# Allegro board 8880F5-0823_9.brd (continued)
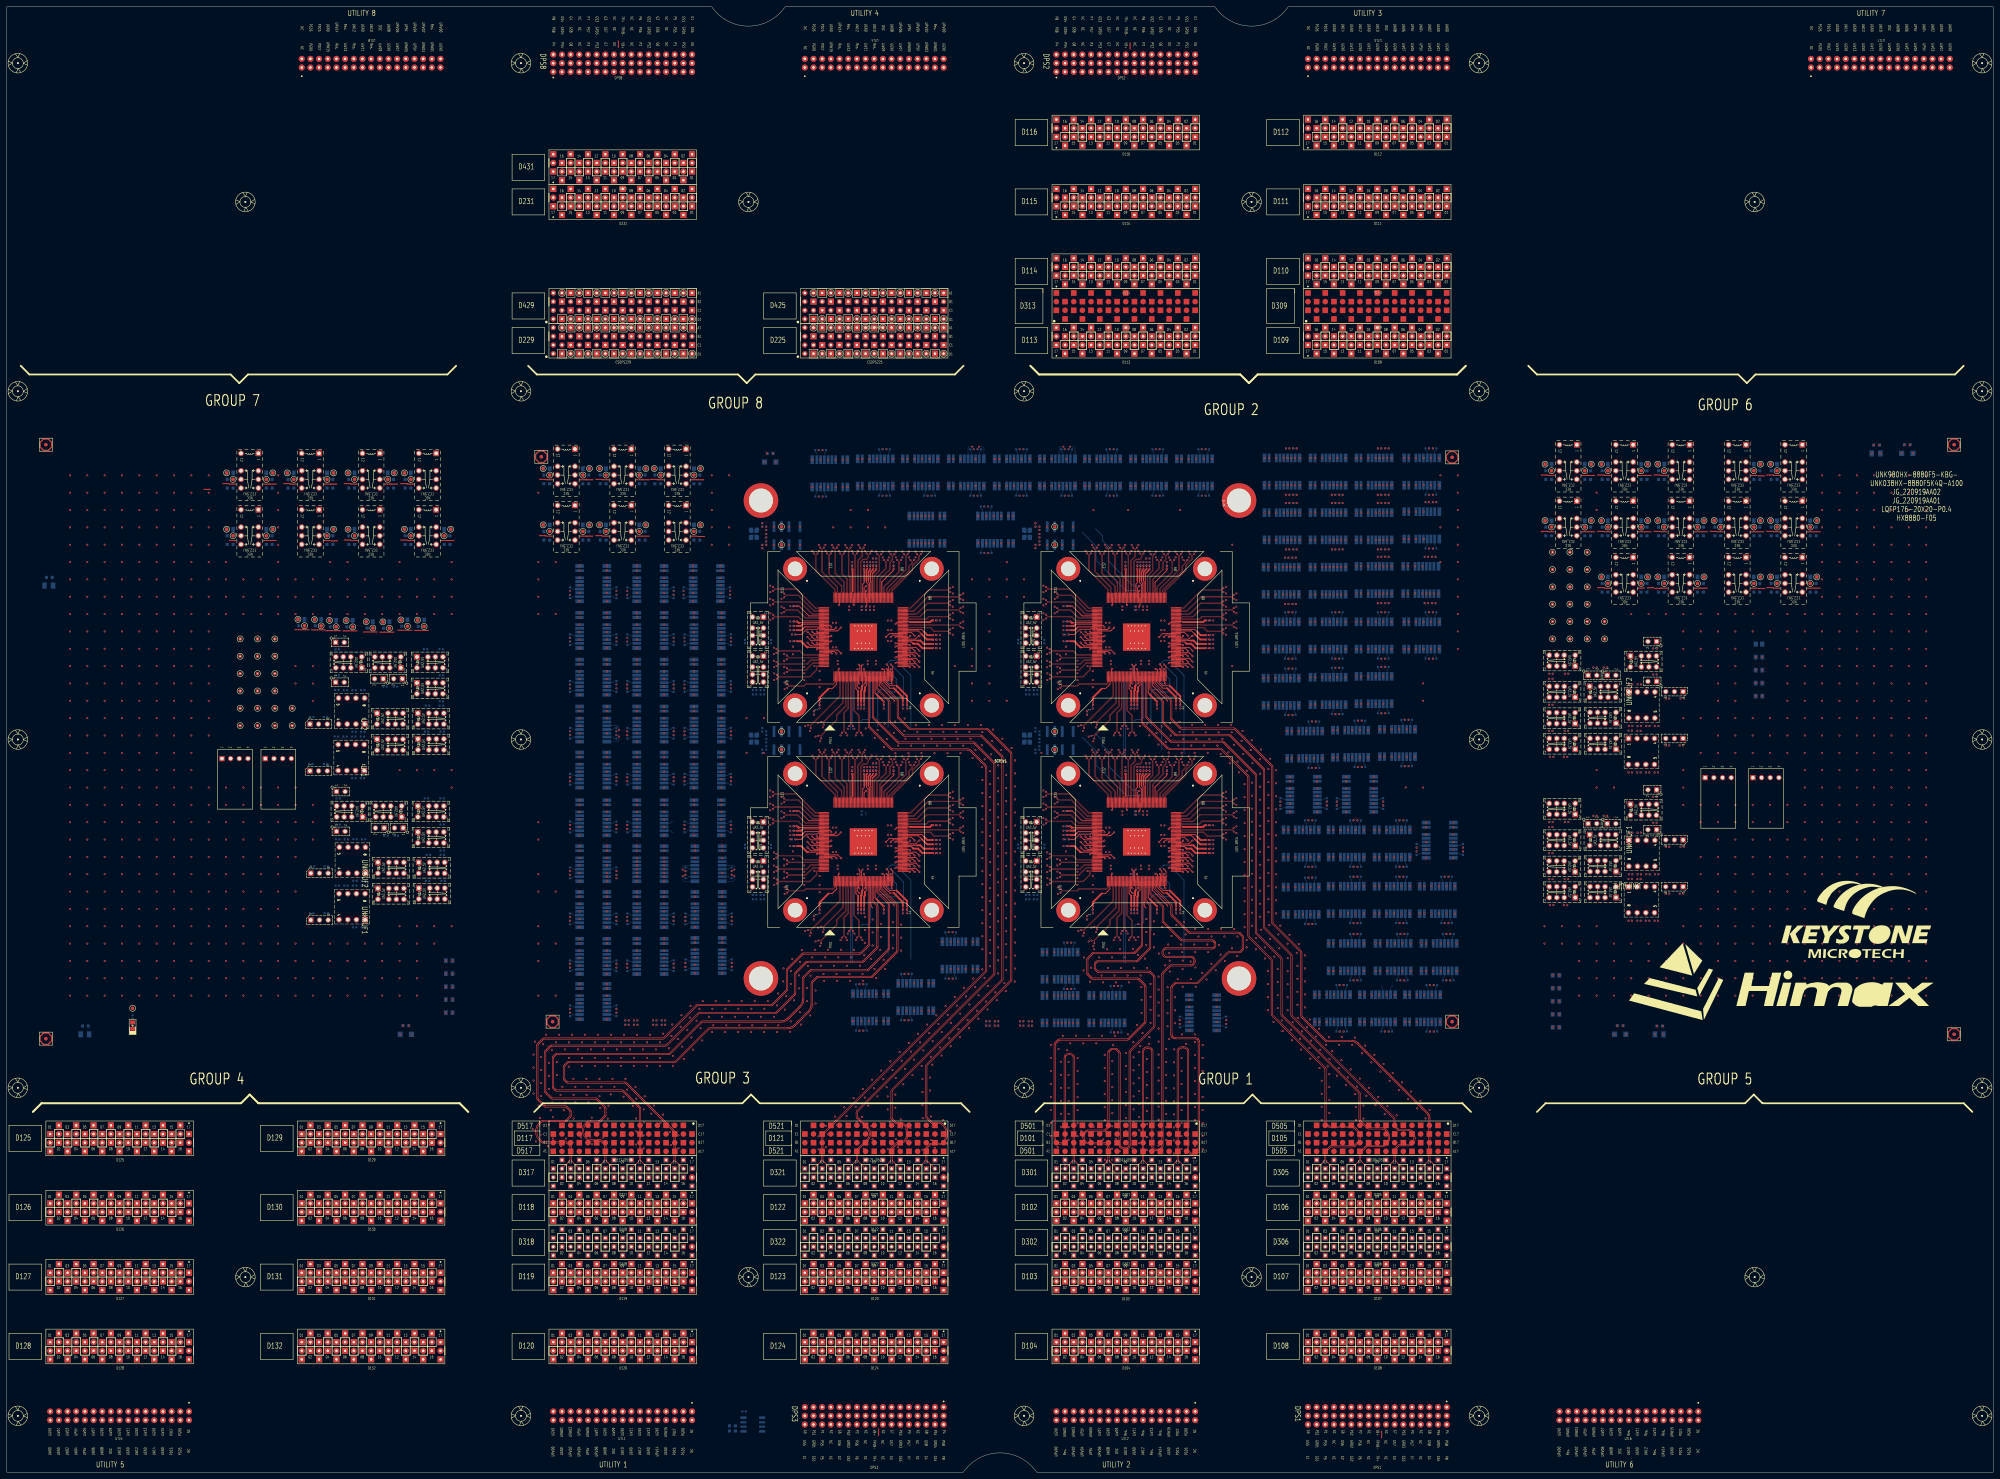
[diagram p0: board, top side]
## Placement (name value [footprint] x y rotation side) (continued)
NOREF#2159  -  []  165.8 226.57 90 top
NOREF#2160  -  []  263.31 164.72 0 top
NOREF#2161  -  []  108.27 171.02 0 top
NOREF#2162  -  []  271.04 182.96 0 top
NOREF#2163  -  []  456.08 171.53 0 top
NOREF#2164  -  []  415.61 179.97 90 top
NOREF#2165  -  []  331.94 265.86 90 top
NOREF#2166  -  []  397.3 209.36 0 top
NOREF#2167  -  []  249.6 163.52 90 top
NOREF#2168  -  []  175.7 250.38 90 top
NOREF#2169  -  []  300.01 288.41 90 top
NOREF#2170  -  []  367.73 274.38 90 top
NOREF#2171  -  []  404.15 241.11 0 top
NOREF#2172  -  []  201.23 247.18 90 top
NOREF#2173  -  []  298.16 248.49 0 top
NOREF#2174  -  []  305.83 264.31 0 top
NOREF#2175  -  []  304.65 271.67 0 top
NOREF#2176  -  []  332.51 205.55 0 top
NOREF#2177  -  []  352.24 183.59 90 top
NOREF#2178  -  []  106.11 234.24 0 top
NOREF#2179  -  []  410.52 241.11 0 top
NOREF#2180  -  []  315.16 290.13 90 top
NOREF#2181  -  []  461.96 174.55 0 top
NOREF#2182  -  []  334.61 265.86 90 top
NOREF#2183  -  []  209.49 164.3 90 top
NOREF#2184  -  []  475.04 195.66 0 top
NOREF#2185  -  []  184.47 145.93 0 top
NOREF#2186  -  []  387.39 281.11 0 top
NOREF#2187  -  []  369.63 289.12 0 top
NOREF#2188  -  []  184.47 159.65 90 top
NOREF#2189  -  []  220.36 237.06 0 top
NOREF#2190  -  []  209.23 243.88 90 top
NOREF#2191  -  []  230.43 247.61 90 top
NOREF#2192  -  []  165.8 240.28 90 top
NOREF#2193  -  []  167.7 229.07 90 top
NOREF#2194  -  []  175.8 133.97 90 top
NOREF#2195  -  []  385.93 178.25 0 top
NOREF#2196  -  []  344.62 131.89 90 top
NOREF#2197  -  []  184.47 233.47 90 top
NOREF#2198  -  []  343.63 225.04 90 top
NOREF#2199  -  []  331.62 264.35 90 top
NOREF#2200  -  []  327.25 205.56 0 top
NOREF#2201  -  []  302.49 296.86 0 top
NOREF#2202  -  []  108.01 214.71 0 top
NOREF#2203  -  []  404.15 257.37 0 top
NOREF#2204  -  []  375.22 163.39 0 top
NOREF#2205  -  []  229.51 243.41 0 top
NOREF#2206  -  []  201.23 186.57 90 top
NOREF#2207  -  []  229.21 243.09 0 top
NOREF#2208  -  []  75.98 271.33 90 top
NOREF#2209  -  []  351.34 189.5 0 top
NOREF#2210  -  []  165.8 185.42 0 top
NOREF#2211  -  []  272.25 181.69 0 top
NOREF#2212  -  []  254.29 205.56 90 top
NOREF#2213  -  []  238.3 223.52 90 top
NOREF#2214  -  []  215.96 188.49 0 top
NOREF#2215  -  []  420.37 255.47 90 top
NOREF#2216  -  []  406.19 188.15 0 top
NOREF#2217  -  []  313.98 143.79 90 top
NOREF#2218  -  []  239.33 236.03 0 top
NOREF#2219  -  []  415.61 181.32 90 top
NOREF#2220  -  []  250.74 224.72 0 top
NOREF#2221  -  []  330.49 163.52 90 top
NOREF#2222  -  []  383.09 224.85 0 top
NOREF#2223  -  []  248.96 164.72 0 top
NOREF#2224  -  []  373.32 164.66 90 top
NOREF#2225  -  []  229.21 188.88 0 top
NOREF#2226  -  []  248.96 224.74 0 top
NOREF#2227  -  []  383.09 257.11 0 top
NOREF#2228  -  []  395.07 129.99 0 top
NOREF#2229  -  []  405.5 241.11 90 top
NOREF#2230  -  []  392.04 289.12 90 top
NOREF#2231  -  []  310.43 188.88 0 top
NOREF#2232  -  []  168.13 199.99 90 top
NOREF#2233  -  []  184.47 151.68 90 top
NOREF#2234  -  []  112.05 246.78 90 top
NOREF#2235  -  []  333.72 205.86 90 top
NOREF#2236  -  []  397.8 179.6 90 top
NOREF#2237  -  []  175.7 259.8 90 top
NOREF#2238  -  []  165.8 226.57 0 top
NOREF#2239  -  []  378.58 273.11 90 top
NOREF#2240  -  []  271.04 242.96 0 top
NOREF#2241  -  []  385.19 232.85 0 top
NOREF#2242  -  []  333.4 204.35 90 top
NOREF#2243  -  []  106.18 160.58 90 top
NOREF#2244  -  []  192.47 230.17 90 top
NOREF#2245  -  []  334.61 205.86 90 top
NOREF#2246  -  []  453.88 186.77 0 top
NOREF#2247  -  []  394 217.36 0 top
NOREF#2248  -  []  209.59 174.36 90 top
NOREF#2249  -  []  226.85 211.67 0 top
NOREF#2250  -  []  118.45 239.39 0 top
NOREF#2251  -  []  201.49 159.65 0 top
NOREF#2252  -  []  315.82 129.74 0 top
NOREF#2253  -  []  272.55 181.37 0 top
NOREF#2254  -  []  182.57 199.39 90 top
NOREF#2255  -  []  120.24 171.1 0 top
NOREF#2256  -  []  383.83 194.68 90 top
NOREF#2257  -  []  259.33 204.35 90 top
NOREF#2258  -  []  83.77 247.51 90 top
NOREF#2259  -  []  295.96 248.49 0 top
NOREF#2260  -  []  312.46 144.39 90 top
NOREF#2261  -  []  383.07 180.2 90 top
NOREF#2262  -  []  285.71 280.1 0 top
NOREF#2263  -  []  461.86 187.32 0 top
NOREF#2264  -  []  392.73 154.88 0 top
NOREF#2265  -  []  119.7 231.22 0 top
NOREF#2266  -  []  230.43 188.88 0 top
NOREF#2267  -  []  473.79 196.21 0 top
NOREF#2268  -  []  118.45 231.77 0 top
NOREF#2269  -  []  373.32 181.42 90 top
NOREF#2270  -  []  101.82 290.38 90 top
NOREF#2271  -  []  472.86 174.55 90 top
NOREF#2272  -  []  393.19 255.21 90 top
NOREF#2273  -  []  249.6 224.74 90 top
NOREF#2274  -  []  270.04 280.1 0 top
NOREF#2275  -  []  209.49 168.6 90 top
NOREF#2276  -  []  387.2 207.46 0 top
NOREF#2277  -  []  401.87 194.18 90 top
NOREF#2278  -  []  317.66 224.72 0 top
NOREF#2279  -  []  184.47 187.92 90 top
NOREF#2280  -  []  218.13 274.06 90 top
NOREF#2281  -  []  177.33 214.75 90 top
NOREF#2282  -  []  327.25 265.55 0 top
NOREF#2283  -  []  310.43 186.34 90 top
NOREF#2284  -  []  381.74 232.85 0 top
NOREF#2285  -  []  224.65 211.67 0 top
NOREF#2286  -  []  398.65 281.11 0 top
NOREF#2287  -  []  301.56 239.06 0 top
NOREF#2288  -  []  234.33 228.13 90 top
NOREF#2289  -  []  482.64 235.89 90 top
NOREF#2290  -  []  192.47 218.65 90 top
NOREF#2291  -  []  352.25 185.5 0 top
NOREF#2292  -  []  404.24 154.88 0 top
NOREF#2293  -  []  404.4 225.16 90 top
NOREF#2294  -  []  310.43 188.88 90 top
NOREF#2295  -  []  423.61 188.92 90 top
NOREF#2296  -  []  298.49 288.91 90 top
NOREF#2297  -  []  110.21 195.15 0 top
NOREF#2298  -  []  238.3 164.74 90 top
NOREF#2299  -  []  256.45 164.74 0 top
NOREF#2300  -  []  329.6 163.52 90 top
NOREF#2301  -  []  229.21 193.37 0 top
NOREF#2302  -  []  263.83 231.63 90 top
NOREF#2303  -  []  113.08 129.54 0 top
NOREF#2304  -  []  210.86 214.75 90 top
NOREF#2305  -  []  396.55 257.37 0 top
NOREF#2306  -  []  352.25 244.23 0 top
NOREF#2307  -  []  252.83 264.65 90 top
NOREF#2308  -  []  257.09 164.74 90 top
NOREF#2309  -  []  250.73 265.56 90 top
NOREF#2310  -  []  272.25 249.18 90 top
NOREF#2311  -  []  230.73 247.93 0 top
NOREF#2312  -  []  418.37 289.17 90 top
NOREF#2313  -  []  377.32 163.39 0 top
NOREF#2314  -  []  165.8 212.85 0 top
NOREF#2315  -  []  398.65 233.11 0 top
NOREF#2316  -  []  310.43 188.88 90 top
NOREF#2317  -  []  465.81 214.96 0 top
NOREF#2318  -  []  465.45 290.38 90 top
NOREF#2319  -  []  188.08 291.65 90 top
NOREF#2320  -  []  471.21 219.38 0 top
NOREF#2321  -  []  468.01 171.53 0 top
NOREF#2322  -  []  342.36 225.04 90 top
NOREF#2323  -  []  449.99 217.9 0 top
NOREF#2324  -  []  383.09 257.11 0 top
NOREF#2325  -  []  192.47 191.22 90 top
NOREF#2326  -  []  376.23 209.11 0 top
NOREF#2327  -  []  380.59 287.22 0 top
NOREF#2328  -  []  300.74 286.96 90 top
NOREF#2329  -  []  413.75 171.64 0 top
NOREF#2330  -  []  343.98 288.86 0 top
NOREF#2331  -  []  230.73 193.69 0 top
NOREF#2332  -  []  107.02 166.42 90 top
NOREF#2333  -  []  215.96 177.06 0 top
NOREF#2334  -  []  410.27 257.37 0 top
NOREF#2335  -  []  305.83 204.31 0 top
NOREF#2336  -  []  381.74 265.11 0 top
NOREF#2337  -  []  313.56 144.34 90 top
NOREF#2338  -  []  310.43 183.09 0 top
NOREF#2339  -  []  199.59 203.01 90 top
NOREF#2340  -  []  352.24 244.86 90 top
NOREF#2341  -  []  290.64 288.86 0 top
NOREF#2342  -  []  238.45 197.01 0 top
NOREF#2343  -  []  394.46 129.99 90 top
NOREF#2344  -  []  254.29 205.56 0 top
NOREF#2345  -  []  419.9 154.88 0 top
NOREF#2346  -  []  226.85 271.67 0 top
NOREF#2347  -  []  342.63 296.86 0 top
NOREF#2348  -  []  277.5 155.38 0 top
NOREF#2349  -  []  387.8 210.63 90 top
NOREF#2350  -  []  119.7 231.22 0 top
NOREF#2351  -  []  115.61 191.95 90 top
NOREF#2352  -  []  250.5 288.86 0 top
NOREF#2353  -  []  475.36 127 90 top
NOREF#2354  -  []  184.47 206.29 90 top
NOREF#2355  -  []  388.43 180.15 0 top
NOREF#2356  -  []  175.7 222.95 90 top
NOREF#2357  -  []  66.26 273.87 90 top
NOREF#2358  -  []  378.33 224.6 90 top
NOREF#2359  -  []  127.59 211.59 90 top
NOREF#2360  -  []  329.16 296.86 0 top
NOREF#2361  -  []  251.86 192.43 90 top
NOREF#2362  -  []  329.28 225.04 90 top
NOREF#2363  -  []  463.61 222.58 0 top
NOREF#2364  -  []  188.08 289.11 90 top
NOREF#2365  -  []  405.5 225.11 90 top
NOREF#2366  -  []  128.24 171.1 0 top
NOREF#2367  -  []  184.47 231.27 90 top
NOREF#2368  -  []  165.8 185.42 90 top
NOREF#2369  -  []  412.62 281.37 0 top
NOREF#2370  -  []  383.09 224.85 0 top
NOREF#2371  -  []  250.74 224.74 0 top
NOREF#2372  -  []  120.24 171.1 0 top
NOREF#2373  -  []  473.7 219.66 90 top
NOREF#2374  -  []  310.73 253.69 0 top
NOREF#2375  -  []  333.4 264.35 90 top
NOREF#2376  -  []  272.25 243.59 90 top
NOREF#2377  -  []  317.83 197.63 0 top
NOREF#2378  -  []  184.47 244.98 90 top
NOREF#2379  -  []  111.54 290.38 90 top
NOREF#2380  -  []  313.22 288.41 90 top
NOREF#2381  -  []  184.47 165.4 90 top
NOREF#2382  -  []  194.09 187.32 90 top
NOREF#2383  -  []  118.33 273.87 90 top
NOREF#2384  -  []  249.13 140.14 0 top
NOREF#2385  -  []  251.62 204.35 90 top
NOREF#2386  -  []  317.66 164.74 0 top
NOREF#2387  -  []  184.89 186.02 90 top
NOREF#2388  -  []  234.7 286.71 90 top
NOREF#2389  -  []  396.55 241.11 0 top
NOREF#2390  -  []  296.81 275.94 0 top
NOREF#2391  -  []  332.61 288.86 0 top
NOREF#2392  -  []  306.83 269.63 90 top
NOREF#2393  -  []  237.66 164.72 0 top
NOREF#2394  -  []  339.33 205.56 90 top
NOREF#2395  -  []  331.94 204.65 90 top
NOREF#2396  -  []  292.74 296.86 0 top
NOREF#2397  -  []  264.54 143.19 0 top
NOREF#2398  -  []  417.2 171.64 0 top
NOREF#2399  -  []  192.47 250.38 90 top
NOREF#2400  -  []  167.7 247.18 90 top
NOREF#2401  -  []  385.19 249.11 0 top
NOREF#2402  -  []  352.25 249.82 0 top
NOREF#2403  -  []  398.65 273.11 0 top
NOREF#2404  -  []  405.5 257.37 90 top
NOREF#2405  -  []  118.33 271.33 90 top
NOREF#2406  -  []  201.23 217.55 90 top
NOREF#2407  -  []  182.57 158.5 0 top
NOREF#2408  -  []  36.1 131.91 0 top
NOREF#2409  -  []  451.64 222.5 0 top
NOREF#2410  -  []  272.24 242.32 90 top
NOREF#2411  -  []  351.04 181.69 0 top
NOREF#2412  -  []  339.33 265.55 0 top
NOREF#2413  -  []  215.96 248.49 0 top
NOREF#2414  -  []  192.57 228.97 90 top
NOREF#2415  -  []  118.7 188.08 0 top
NOREF#2416  -  []  120.21 178.64 0 top
NOREF#2417  -  []  381.2 274.38 90 top
NOREF#2418  -  []  376.23 209.11 0 top
NOREF#2419  -  []  209.23 209.49 90 top
NOREF#2420  -  []  217.83 174.63 90 top
NOREF#2421  -  []  167.7 138.47 90 top
NOREF#2422  -  []  201.23 229.07 90 top
NOREF#2423  -  []  175.7 236.67 90 top
NOREF#2424  -  []  295.96 237.06 0 top
NOREF#2425  -  []  254.61 265.86 90 top
NOREF#2426  -  []  322.23 233.13 0 top
NOREF#2427  -  []  277.17 288.86 0 top
NOREF#2428  -  []  119.95 187.53 0 top
NOREF#2429  -  []  234.33 168.13 90 top
NOREF#2430  -  []  215.96 237.06 0 top
NOREF#2431  -  []  108.27 171.02 0 top
NOREF#2432  -  []  327.89 204.35 90 top
NOREF#2433  -  []  192.47 243.88 90 top
NOREF#2434  -  []  192.47 162.1 90 top
NOREF#2435  -  []  406.44 154.88 0 top
NOREF#2436  -  []  406.65 223.21 90 top
NOREF#2437  -  []  273.95 147.38 90 top
NOREF#2438  -  []  405.93 288.67 90 top
NOREF#2439  -  []  199.33 199.39 0 top
NOREF#2440  -  []  397.57 131.89 0 top
NOREF#2441  -  []  328.62 290.13 90 top
NOREF#2442  -  []  166.06 257.62 90 top
NOREF#2443  -  []  252.83 205.86 90 top
NOREF#2444  -  []  242.23 233.13 0 top
NOREF#2445  -  []  352.24 249.18 90 top
NOREF#2446  -  []  265.81 288.86 0 top
NOREF#2447  -  []  247.25 205.55 0 top
NOREF#2448  -  []  272.25 241.05 90 top
NOREF#2449  -  []  199.33 257.62 90 top
NOREF#2450  -  []  391.8 217.36 0 top
NOREF#2451  -  []  312.21 131.64 0 top
NOREF#2452  -  []  220.36 248.49 0 top
NOREF#2453  -  []  249.15 296.86 0 top
NOREF#2454  -  []  184.47 173.11 0 top
NOREF#2455  -  []  375.73 193.43 90 top
NOREF#2456  -  []  229.51 183.41 0 top
NOREF#2457  -  []  394.05 271.21 0 top
NOREF#2458  -  []  449.99 217.9 0 top
NOREF#2459  -  []  175.8 228.97 90 top
NOREF#2460  -  []  351.34 242.64 0 top
NOREF#2461  -  []  343.2 172.26 90 top
NOREF#2462  -  []  115.61 211.51 90 top
NOREF#2463  -  []  185.2 276.04 90 top
NOREF#2464  -  []  250.73 204.35 90 top
NOREF#2465  -  []  329.85 224.72 0 top
NOREF#2466  -  []  230.43 254.01 0 top
NOREF#2467  -  []  262.68 163.52 90 top
NOREF#2468  -  []  450.03 225.6 0 top
NOREF#2469  -  []  122.15 187.53 0 top
NOREF#2470  -  []  302.71 145.61 90 top
NOREF#2471  -  []  450.03 166.93 0 top
NOREF#2472  -  []  256.45 224.72 0 top
NOREF#2473  -  []  261.63 255.43 90 top
NOREF#2474  -  []  328.96 224.74 0 top
NOREF#2475  -  []  366.88 222.7 0 top
NOREF#2476  -  []  308.36 262.16 45 top
NOREF#2477  -  []  450.03 182.17 0 top
NOREF#2478  -  []  339.33 204.35 90 top
NOREF#2479  -  []  471.21 211.76 90 top
NOREF#2480  -  []  167.7 214 90 top
NOREF#2481  -  []  127.84 167.9 90 top
NOREF#2482  -  []  304.61 144.34 0 top
NOREF#2483  -  []  309.21 183.09 0 top
NOREF#2484  -  []  272.25 249.82 0 top
NOREF#2485  -  []  118.45 226.62 90 top
NOREF#2486  -  []  192.57 242.68 90 top
NOREF#2487  -  []  167.7 163.2 90 top
NOREF#2488  -  []  230.41 243.09 90 top
NOREF#2489  -  []  283.91 273.37 90 top
NOREF#2490  -  []  254.61 205.86 90 top
NOREF#2491  -  []  453.84 222.5 0 top
NOREF#2492  -  []  411.26 163.09 90 top
NOREF#2493  -  []  450.03 234.74 0 top
NOREF#2494  -  []  418.12 273.37 0 top
NOREF#2495  -  []  254.29 204.35 90 top
NOREF#2496  -  []  418.12 289.12 0 top
NOREF#2497  -  []  230.43 247.61 0 top
NOREF#2498  -  []  401.89 163.64 0 top
NOREF#2499  -  []  256.77 165.04 90 top
NOREF#2500  -  []  390.53 180.15 0 top
NOREF#2501  -  []  194.09 160.4 90 top
NOREF#2502  -  []  392.47 240.66 90 top
NOREF#2503  -  []  237.98 225.04 90 top
NOREF#2504  -  []  115.61 219.13 90 top
NOREF#2505  -  []  405.93 272.66 90 top
NOREF#2506  -  []  313.22 288.31 90 top
NOREF#2507  -  []  332.51 265.56 0 top
NOREF#2508  -  []  308.91 152.34 0 top
NOREF#2509  -  []  383.09 257.11 0 top
NOREF#2510  -  []  383.01 139.89 0 top
NOREF#2511  -  []  303.26 139.64 0 top
NOREF#2512  -  []  230.41 193.37 90 top
NOREF#2513  -  []  310.73 253.69 0 top
NOREF#2514  -  []  311.44 288.86 0 top
NOREF#2515  -  []  167.7 190.12 90 top
NOREF#2516  -  []  184.47 219.75 90 top
NOREF#2517  -  []  473.79 191.06 90 top
NOREF#2518  -  []  258.35 288.91 90 top
NOREF#2519  -  []  175.7 162.1 90 top
NOREF#2520  -  []  167.7 151.68 90 top
NOREF#2521  -  []  101.29 247.16 90 top
NOREF#2522  -  []  116.01 222.33 0 top
NOREF#2523  -  []  331.86 192.43 90 top
NOREF#2524  -  []  199.59 243.9 90 top
NOREF#2525  -  []  309.21 186.34 0 top
NOREF#2526  -  []  108.27 178.64 0 top
NOREF#2527  -  []  340.83 174.63 90 top
NOREF#2528  -  []  281.47 296.86 0 top
NOREF#2529  -  []  368.28 297.12 0 top
NOREF#2530  -  []  184.47 233.47 90 top
NOREF#2531  -  []  184.47 151.68 90 top
NOREF#2532  -  []  192.47 189.02 90 top
NOREF#2533  -  []  109.96 238.84 0 top
NOREF#2534  -  []  385.32 178.25 90 top
NOREF#2535  -  []  310.73 246.66 0 top
NOREF#2536  -  []  201.23 244.98 90 top
NOREF#2537  -  []  495.08 257.36 90 top
NOREF#2538  -  []  277.17 288.86 0 top
NOREF#2539  -  []  107.18 246.83 90 top
NOREF#2540  -  []  192.47 148.38 90 top
NOREF#2541  -  []  259.65 204.65 90 top
NOREF#2542  -  []  261.63 173.83 90 top
NOREF#2543  -  []  317.98 165.04 90 top
NOREF#2544  -  []  377.32 171.39 0 top
NOREF#2545  -  []  248.61 290.13 90 top
NOREF#2546  -  []  459.28 168.33 90 top
NOREF#2547  -  []  118.7 222.88 0 top
NOREF#2548  -  []  381.2 258.38 90 top
NOREF#2549  -  []  230.43 253.37 90 top
NOREF#2550  -  []  256.45 224.74 0 top
NOREF#2551  -  []  184.47 214 90 top
NOREF#2552  -  []  175.7 154.88 90 top
NOREF#2553  -  []  201.49 163.2 90 top
NOREF#2554  -  []  253.72 204.65 90 top
NOREF#2555  -  []  251.22 193.63 0 top
NOREF#2556  -  []  309.21 188.88 0 top
NOREF#2557  -  []  459.28 211.76 90 top
NOREF#2558  -  []  339.33 265.55 0 top
NOREF#2559  -  []  461.86 182.17 90 top
NOREF#2560  -  []  192.47 177.76 90 top
NOREF#2561  -  []  300.36 177.06 0 top
NOREF#2562  -  []  410.84 180.15 90 top
NOREF#2563  -  []  400.85 233.11 0 top
NOREF#2564  -  []  371.73 297.12 0 top
NOREF#2565  -  []  93.76 273.87 90 top
NOREF#2566  -  []  451.68 230.2 0 top
NOREF#2567  -  []  461.96 166.93 0 top
NOREF#2568  -  []  346.27 129.42 0 top
NOREF#2569  -  []  185.2 290.01 90 top
NOREF#2570  -  []  272.24 243.59 90 top
NOREF#2571  -  []  172.08 291.65 90 top
NOREF#2572  -  []  230.43 248.88 90 top
R1  NC/1M-1-S4  [R0402]  221.23 227.84 180 bottom
R2  NC/1M-1-S4  [R0402]  218.95 227.84 0 bottom
R3  NC/100K-1-S4  [R0402]  184.15 131.06 180 bottom
R4  NC/100K-1-S4  [R0402]  181.61 131.06 180 bottom
R5  0-5-S4  [R0402]  222.38 272.16 270 bottom
R6  1M-1-S4  [R0402]  222.38 274.32 270 bottom
R7  49.9-1-S4  [R0402]  178.5 217.52 90 bottom
R8  49.9-1-S4  [R0402]  178.5 215.38 90 bottom
R9  49.9-1-S4  [R0402]  164.91 217.52 90 bottom
R10  49.9-1-S4  [R0402]  164.91 215.38 90 bottom
R11  49.9-1-S4  [R0402]  212.03 231.24 90 bottom
R12  49.9-1-S4  [R0402]  212.03 229.1 90 bottom
R13  49.9-1-S4  [R0402]  198.44 231.24 90 bottom
R14  49.9-1-S4  [R0402]  198.44 229.1 90 bottom
R15  49.9-1-S4  [R0402]  296.06 299.66 180 bottom
R16  49.9-1-S4  [R0402]  298.21 299.66 180 bottom
R17  49.9-1-S4  [R0402]  296.06 286.07 180 bottom
R18  49.9-1-S4  [R0402]  298.21 286.07 180 bottom
R19  49.9-1-S4  [R0402]  309.27 299.66 180 bottom
R20  49.9-1-S4  [R0402]  311.42 299.66 180 bottom
R21  49.9-1-S4  [R0402]  309.27 286.07 180 bottom
R22  49.9-1-S4  [R0402]  311.42 286.07 180 bottom
R23  49.9-1-S4  [R0402]  349.4 299.66 180 bottom
R24  49.9-1-S4  [R0402]  351.55 299.66 180 bottom
R25  49.9-1-S4  [R0402]  349.4 286.07 180 bottom
R26  49.9-1-S4  [R0402]  351.55 286.07 180 bottom
R27  49.9-1-S4  [R0402]  335.94 299.66 180 bottom
R28  49.9-1-S4  [R0402]  338.09 299.66 180 bottom
R29  49.9-1-S4  [R0402]  335.94 286.07 180 bottom
R30  49.9-1-S4  [R0402]  338.09 286.07 180 bottom
R31  49.9-1-S4  [R0402]  322.48 299.66 180 bottom
R32  49.9-1-S4  [R0402]  324.62 299.66 180 bottom
R33  49.9-1-S4  [R0402]  322.48 286.07 180 bottom
R34  49.9-1-S4  [R0402]  324.62 286.07 180 bottom
R37  49.9-1-S4  [R0402]  269.14 286.07 180 bottom
R38  49.9-1-S4  [R0402]  271.28 286.07 180 bottom
R39  49.9-1-S4  [R0402]  287.88 269.3 0 bottom
R40  49.9-1-S4  [R0402]  285.74 269.3 0 bottom
R41  49.9-1-S4  [R0402]  287.88 282.89 0 bottom
R42  49.9-1-S4  [R0402]  285.74 282.89 0 bottom
R43  49.9-1-S4  [R0402]  164.91 258.67 90 bottom
R44  49.9-1-S4  [R0402]  164.91 256.53 90 bottom
R45  49.9-1-S4  [R0402]  198.44 244.96 90 bottom
R46  49.9-1-S4  [R0402]  198.44 242.81 90 bottom
R47  49.9-1-S4  [R0402]  195.26 231.24 90 bottom
R48  49.9-1-S4  [R0402]  195.26 229.1 90 bottom
R49  49.9-1-S4  [R0402]  181.67 231.24 90 bottom
R50  49.9-1-S4  [R0402]  181.67 229.1 90 bottom
R51  49.9-1-S4  [R0402]  178.5 231.24 90 bottom
R52  49.9-1-S4  [R0402]  178.5 229.1 90 bottom
R53  49.9-1-S4  [R0402]  164.91 231.24 90 bottom
R54  49.9-1-S4  [R0402]  164.91 229.1 90 bottom
R55  49.9-1-S4  [R0402]  211.77 258.67 90 bottom
R56  49.9-1-S4  [R0402]  211.77 256.53 90 bottom
R57  49.9-1-S4  [R0402]  198.18 258.67 90 bottom
R58  49.9-1-S4  [R0402]  198.18 256.53 90 bottom
R59  49.9-1-S4  [R0402]  195.26 244.96 90 bottom
R60  49.9-1-S4  [R0402]  195.26 242.81 90 bottom
R61  49.9-1-S4  [R0402]  181.67 244.96 90 bottom
R62  49.9-1-S4  [R0402]  181.67 242.81 90 bottom
R63  49.9-1-S4  [R0402]  195.26 258.67 90 bottom
R64  49.9-1-S4  [R0402]  195.26 256.53 90 bottom
R65  49.9-1-S4  [R0402]  164.91 244.96 90 bottom
R66  49.9-1-S4  [R0402]  164.91 242.81 90 bottom
R67  49.9-1-S4  [R0402]  239.37 285.81 0 bottom
R68  49.9-1-S4  [R0402]  237.22 285.81 0 bottom
R69  49.9-1-S4  [R0402]  239.37 299.4 0 bottom
R70  49.9-1-S4  [R0402]  237.22 299.4 0 bottom
R71  49.9-1-S4  [R0402]  255.93 299.66 180 bottom
R72  49.9-1-S4  [R0402]  258.08 299.66 180 bottom
R73  49.9-1-S4  [R0402]  255.93 286.07 180 bottom
R74  49.9-1-S4  [R0402]  258.08 286.07 180 bottom
R75  49.9-1-S4  [R0402]  282.6 299.66 180 bottom
R76  49.9-1-S4  [R0402]  284.75 299.66 180 bottom
R77  49.9-1-S4  [R0402]  282.6 286.07 180 bottom
R78  49.9-1-S4  [R0402]  284.75 286.07 180 bottom
R79  49.9-1-S4  [R0402]  178.5 258.67 90 bottom
R80  49.9-1-S4  [R0402]  178.5 256.53 90 bottom
R82  4.7K-1-S4-WA  [R0402]  122.62 241.1 180 bottom
R83  4.7K-1-S4-WA  [R0402]  96.77 233.43 180 bottom
R84  4.7K-1-S4-WA  [R0402]  96.77 241.05 180 bottom
R85  100K-1-S4  [R0402]  113.79 230.12 180 bottom
R86  4.7K-1-S4-WA  [R0402]  93.33 207.46 180 bottom
R87  4.7K-1-S4-WA  [R0402]  104.14 203.31 180 bottom
R88  4.7K-1-S4-WA  [R0402]  101.6 203.31 180 bottom
R89  4.7K-1-S4-WA  [R0402]  89.03 207.41 0 bottom
R90  4.7K-1-S4-WA  [R0402]  101.6 215.5 180 bottom
R91  4.7K-1-S4-WA  [R0402]  99.06 215.5 180 bottom
R92  4.7K-1-S4-WA  [R0402]  96.52 215.5 180 bottom
R93  4.7K-1-S4-WA  [R0402]  93.33 221.18 180 bottom
R94  4.7K-1-S4-WA  [R0402]  104.25 216.86 0 bottom
R95  4.7K-1-S4-WA  [R0402]  101.7 216.91 180 bottom
R96  4.7K-1-S4-WA  [R0402]  89.27 221.18 0 bottom
R97  4.7K-1-S4-WA  [R0402]  101.7 229.1 180 bottom
R98  4.7K-1-S4-WA  [R0402]  99.16 229.1 180 bottom
R99  4.7K-1-S4-WA  [R0402]  96.62 229.1 180 bottom
R100  49.9-1-S4  [R0402]  181.67 258.67 90 bottom
R101  49.9-1-S4  [R0402]  181.67 256.53 90 bottom
R102  49.9-1-S4  [R0402]  212.03 244.96 90 bottom
R103  49.9-1-S4  [R0402]  212.03 242.81 90 bottom
R104  49.9-1-S4  [R0402]  178.5 244.96 90 bottom
R105  49.9-1-S4  [R0402]  178.5 242.81 90 bottom
R117  1K-1-S4  [R0402]  127.2 241.1 180 bottom
R118  NC/0-5-S4  [R0402]  230.41 245.39 180 bottom
R119  4.7K-1-S4-WA  [R0402]  127.25 233.43 0 bottom
R120  4.7K-1-S4-WA  [R0402]  127.25 225.81 0 bottom
R125  0-5-S4  [R0402]  123.19 224.54 180 bottom
R126  0-5-S4  [R0402]  127.25 224.54 180 bottom
R127  0-5-S4  [R0402]  122.94 216.92 180 bottom
R128  0-5-S4  [R0402]  127.51 216.92 180 bottom
R129  0-5-S4  [R0402]  221.23 229.11 180 bottom
R130  0-5-S4  [R0402]  218.95 229.11 0 bottom
R131  50-0.1-S4-HF-VI  [R0402]  223.77 243.33 90 bottom
R132  50-0.1-S4-HF-VI  [R0402]  216.15 243.33 90 bottom
R133  0-5-S4  [R0402]  222.38 276.48 90 bottom
RB1  10K-1-S6  [R0603]  212.47 13.59 0 bottom
RB2  10K-1-S6  [R0603]  212.47 12.06 0 bottom
S1_I2C  HDR-4X1-MR-A  [JP_4P_100_R90_V1]  62.99 209.04 270 top
S1_RST_N  HDR-2X1-M  [JP_2P_100]  115.82 232.41 270 bottom
S2_I2C  HDR-4X1-MR-A  [JP_4P_100_R90_V1]  497.33 203.45 270 top
S2_RST_N  HDR-2X1-M  [JP_2P_100]  463.04 233.43 90 bottom
S3_I2C  HDR-4X1-MR-A  [JP_4P_100_R90_V1]  75.69 209.04 270 top
S3_RST_N  HDR-2X1-M  [JP_2P_100]  116.08 188.72 270 bottom
S4_I2C  HDR-4X1-MR-A  [JP_4P_100_R90_V1]  511.3 203.45 270 top
S4_RST_N  HDR-2X1-M  [JP_2P_100]  463.04 189.99 90 bottom
SB1  SHORT  [DEFAULT_SHORT_SMALL]  402.59 11.04 90 top
SB2  SHORT  [DEFAULT_SHORT_SMALL]  328.93 417.83 270 top
SB3  SHORT  [DEFAULT_SHORT_SMALL]  255.27 11.71 90 top
SB8  SHORT  [DEFAULT_SHORT_SMALL]  179.07 418.32 270 top
SCREW1  V93KMFHOLE  [PG_VG93K_F_FULLOUTLINE]  290.83 214.63 0 top
SH1  SHORT  [DEFAULT_SHORT_SMALL]  185.19 290.72 0 top
SH2  SHORT  [DEFAULT_SHORT_SMALL]  187.14 290.72 0 top
SH3  SHORT  [DEFAULT_SHORT_SMALL]  175.35 290.72 0 top
SH4  SHORT  [DEFAULT_SHORT_SMALL]  173.4 290.85 180 top
SH5  SHORT  [DEFAULT_SHORT_SMALL]  118.2 289.45 0 top
SH6  SHORT  [DEFAULT_SHORT_SMALL]  116.25 289.58 180 top
SH7  SHORT  [DEFAULT_SHORT_SMALL]  168.68 290.72 0 top
SH8  SHORT  [DEFAULT_SHORT_SMALL]  156.89 290.85 180 top
SH9  SHORT  [DEFAULT_SHORT_SMALL]  170.63 290.72 0 top
SH10  SHORT  [DEFAULT_SHORT_SMALL]  158.84 290.72 0 top
SH11  SHORT  [DEFAULT_SHORT_SMALL]  173.4 274.34 180 top
SH12  SHORT  [DEFAULT_SHORT_SMALL]  185.19 274.21 0 top
SH13  SHORT  [DEFAULT_SHORT_SMALL]  203.14 290.72 0 top
SH14  SHORT  [DEFAULT_SHORT_SMALL]  201.19 290.72 0 top
SH15  SHORT  [DEFAULT_SHORT_SMALL]  189.4 290.85 180 top
SH16  SHORT  [DEFAULT_SHORT_SMALL]  191.35 290.72 0 top
SH17  SHORT  [DEFAULT_SHORT_SMALL]  156.89 274.34 180 top
SH18  SHORT  [DEFAULT_SHORT_SMALL]  168.68 274.21 0 top
SH19  SHORT  [DEFAULT_SHORT_SMALL]  99.42 246.45 0 top
SH20  SHORT  [DEFAULT_SHORT_SMALL]  101.62 246.45 0 top
SH21  SHORT  [DEFAULT_SHORT_SMALL]  94.56 246.5 0 top
SH22  SHORT  [DEFAULT_SHORT_SMALL]  96.76 246.5 0 top
SH23  SHORT  [DEFAULT_SHORT_SMALL]  201.19 274.21 0 top
SH24  SHORT  [DEFAULT_SHORT_SMALL]  203.37 274.08 180 top
SH25  SHORT  [DEFAULT_SHORT_SMALL]  175.35 274.21 0 top
SH26  SHORT  [DEFAULT_SHORT_SMALL]  187.14 274.21 0 top
SH27  SHORT  [DEFAULT_SHORT_SMALL]  158.84 274.21 0 top
SH28  SHORT  [DEFAULT_SHORT_SMALL]  170.63 274.21 0 top
SITE1  CU/HX8880-F05-LQFP176-20X20  [SK_LQFP176P_0P4MM_JG_HX8880]  250.83 244.63 90 top
SITE2  CU/HX8880-F05-LQFP176-20X20  [SK_LQFP176P_0P4MM_JG_HX8880]  330.83 244.63 90 top
SITE3  CU/HX8880-F05-LQFP176-20X20  [SK_LQFP176P_0P4MM_JG_HX8880]  250.83 184.63 90 top
SITE4  CU/HX8880-F05-LQFP176-20X20  [SK_LQFP176P_0P4MM_JG_HX8880]  330.83 184.63 90 top
SKB  Socket_Base_M5_140x140  [SOCKET_BASE_140X140_565100]  290.83 214.63 0 top